# Allegro board SDHCalFEB.brd (continued)
## Routing (per net, layer and track width the routed paths; a pad name or vN(x,y) marks a point on that pad's centre or on a via; arc(x,y) is an arc through that point) (continued)
VCC3.3VA: length 1198.7
  TOP w0.254: 274.8,163.75 v2(274.8,164.19) ; v2(274.8,164.19) 274.37,164.19 ; v2(274.8,164.19) 274.8,164.62 ; v2(274.8,164.19) 275.23,164.19 ; 34.39,80.09 v2(34.82,80.09) ; v2(34.82,80.09) 34.82,80.52 ; v2(34.82,80.09) 34.82,79.65 ; v2(34.82,80.09) 35.26,80.09 ; v1(359.13,238.3) 359.56,238.3 ; v1(359.13,238.3) 359.13,237.87 ; v1(359.13,238.3) 358.7,238.3 ; v1(359.13,238.3) 359.13,238.74 ; 35.03,162.58 v2(35.03,163.02) ; v2(35.03,163.02) 35.03,163.45 ; v2(35.03,163.02) 35.46,163.02 ; v2(35.03,163.02) 34.59,163.02 ; C258.1 114.29,325.02 ; C258.1 113.1,323.7 ; C258.1 113.1,326.34 ; 210.01,350.8 v1(210.44,350.8) ; v1(210.44,350.8) 210.44,350.37 ; v1(210.44,350.8) 210.87,350.8 ; v1(210.44,350.8) 210.44,351.23 ; v1(189.71,32.97) 189.71,33.4 ; v1(189.71,32.97) 190.14,32.97 ; v1(189.71,32.97) 189.71,32.54 ; v1(189.71,32.97) 189.28,32.97 ; 364.49,100.33 v1(364.92,100.33) ; v1(364.92,100.33) 364.92,100.76 ; v1(364.92,100.33) 365.35,100.33 ; v1(364.92,100.33) 364.92,99.9 ; 236.42,348.92 v1(236.42,349.35) ; v1(236.42,349.35) 236.42,349.78 ; v1(236.42,349.35) 235.99,349.35 ; v1(236.42,349.35) 236.86,349.35 ; 188.09,29.92 v1(188.09,30.35) ; v1(188.09,30.35) 187.65,30.35 ; v1(188.09,30.35) 188.52,30.35 ; v1(188.09,30.35) 188.09,30.79 ; v1(361.06,209.98) 361.06,210.41 ; v1(361.06,209.98) 361.49,209.98 ; v1(361.06,209.98) 360.63,209.98 ; v1(361.06,209.98) 361.06,209.55 ; 114.76,163.42 v2(114.76,163.86) ; v2(114.76,163.86) 114.32,163.86 ; v2(114.76,163.86) 115.19,163.86 ; v2(114.76,163.86) 114.76,164.29 ; 106.02,34.62 v2(106.02,35.05) ; v2(106.02,35.05) 106.45,35.05 ; v2(106.02,35.05) 106.02,35.48 ; v2(106.02,35.05) 105.59,35.05 ; 270.94,167.06 v2(271.37,167.06) ; v2(271.37,167.06) 271.81,167.06 ; v2(271.37,167.06) 271.37,167.49 ; v2(271.37,167.06) 271.37,166.62 ; 112.69,163.91 C954.1 ; C954.1 113.89,165.23 ; C954.1 111.5,165.23 ; C954.1 112.69,166.55 ; 370.61,98.55 C1465.1 ; C1465.1 371.93,99.75 ; C1465.1 373.25,98.55 ; v2(109.63,33.58) 110.06,33.58 ; v2(109.63,33.58) 109.63,33.15 ; v2(109.63,33.58) 109.19,33.58 ; v2(109.63,33.58) 109.63,34.01 ; 364.46,101.57 v1(364.46,102.01) ; v1(364.46,102.01) 364.9,102.01 ; v1(364.46,102.01) 364.46,102.44 ; v1(364.46,102.01) 364.03,102.01 ; v2(281.91,118.24) 281.91,118.67 ; v2(281.91,118.24) 282.35,118.24 ; v2(281.91,118.24) 281.48,118.24 ; v2(281.91,118.24) 281.91,117.8 ; v1(351.05,107.49) 351.49,107.49 ; v1(351.05,107.49) 350.62,107.49 ; v1(351.05,107.49) 351.05,107.93 ; v1(351.05,107.49) 351.05,107.06 ; C868.1 192.55,166.6 ; C868.1 193.74,165.28 ; C868.1 191.35,165.28 ; C868.1 192.55,163.96 ; v2(41.68,329.51) 42.11,329.51 ; v2(41.68,329.51) 41.25,329.51 ; v2(41.68,329.51) 41.68,329.95 ; v2(41.68,329.51) 41.68,329.08 ; 208.61,347.19 v1(209.04,347.19) ; v1(209.04,347.19) 209.47,347.19 ; v1(209.04,347.19) 209.04,346.76 ; v1(209.04,347.19) 209.04,347.62 ; 266.17,29.03 v1(266.17,29.46) ; v1(266.17,29.46) 266.6,29.46 ; v1(266.17,29.46) 265.73,29.46 ; v1(266.17,29.46) 266.17,29.9 ; v2(119.15,98.81) 119.58,98.81 ; v2(119.15,98.81) 119.15,99.24 ; v2(119.15,98.81) 119.15,98.37 ; v2(119.15,98.81) 118.72,98.81 ; 274.5,323.65 v2(274.93,323.65) ; v2(274.93,323.65) 275.36,323.65 ; v2(274.93,323.65) 274.93,324.08 ; v2(274.93,323.65) 274.93,323.21 ; v2(119.46,256.84) 119.89,256.84 ; v2(119.46,256.84) 119.46,256.41 ; v2(119.46,256.84) 119.46,257.28 ; v2(119.46,256.84) 119.02,256.84 ; v1(219.94,352.78) 220.37,352.78 ; v1(219.94,352.78) 219.94,352.35 ; v1(219.94,352.78) 219.51,352.78 ; v1(219.94,352.78) 219.94,353.21 ; C84.1 258.75,266.82 ; C84.1 256.1,266.82 ; C84.1 257.42,268.01 ; C84.1 257.42,265.62 ; 199.68,117.32 v2(200.61,116.39) ; v2(200.61,116.39) 201.45,117.23 ; v2(200.61,116.39) 199.76,115.55 ; v2(200.61,116.39) 201.54,115.46 ; v1(108.28,29.69) 108.71,29.69 ; v1(108.28,29.69) 108.28,29.26 ; v1(108.28,29.69) 108.28,30.12 ; v1(108.28,29.69) 107.85,29.69 ; 36.45,164.91 C1041.1 ; C1041.1 37.77,166.1 ; C1041.1 39.09,164.91 ; C1041.1 37.77,163.71 ; v1(351.84,108.38) 352.27,108.38 ; v1(351.84,108.38) 351.84,108.81 ; v1(351.84,108.38) 351.41,108.38 ; v1(351.84,108.38) 351.84,107.95 ; 276.2,351.74 v1(276.63,351.74) ; v1(276.63,351.74) 276.63,352.17 ; v1(276.63,351.74) 276.63,351.31 ; v1(276.63,351.74) 277.06,351.74 ; 176.94,99.52 v2(176.94,99.95) ; v2(176.94,99.95) 177.37,99.95 ; v2(176.94,99.95) 176.94,100.38 ; v2(176.94,99.95) 176.5,99.95 ; 272.21,323.24 v2(272.21,323.67) ; v2(272.21,323.67) 272.21,324.1 ; v2(272.21,323.67) 272.64,323.67 ; v2(272.21,323.67) 271.78,323.67 ; 191.85,326.44 v2(191.85,326.87) ; v2(191.85,326.87) 191.41,326.87 ; v2(191.85,326.87) 192.28,326.87 ; v2(191.85,326.87) 191.85,327.3 ; v2(39.62,165.07) 40.06,165.07 ; v2(39.62,165.07) 39.62,165.51 ; v2(39.62,165.07) 39.19,165.07 ; v2(39.62,165.07) 39.62,164.64 ; v2(271.37,163.73) 271.81,163.73 ; v2(271.37,163.73) 271.37,163.3 ; v2(271.37,163.73) 271.37,164.16 ; v2(271.37,163.73) 270.94,163.73 ; 179.58,185.47 v2(179.58,185.9) ; v2(179.58,185.9) 180.01,185.9 ; v2(179.58,185.9) 179.58,186.33 ; v2(179.58,185.9) 179.15,185.9 ; 233.29,349.68 C1407.1 ; C1407.1 234.49,351 ; C1407.1 234.49,348.36 ; C1407.1 235.68,349.68 ; v2(66.98,253.26) 66.98,253.7 ; v2(66.98,253.26) 66.55,253.26 ; v2(66.98,253.26) 67.41,253.26 ; v2(66.98,253.26) 66.98,252.83 ; 94.82,185.5 v2(94.82,185.93) ; v2(94.82,185.93) 94.39,185.93 ; v2(94.82,185.93) 95.25,185.93 ; v2(94.82,185.93) 94.82,186.36 ; v2(179.53,99.77) 179.96,99.77 ; v2(179.53,99.77) 179.09,99.77 ; v2(179.53,99.77) 179.53,100.2 ; v2(179.53,99.77) 179.53,99.34 ; 64.34,252.58 v2(64.77,252.58) ; v2(64.77,252.58) 64.77,252.15 ; v2(64.77,252.58) 64.77,253.01 ; v2(64.77,252.58) 65.2,252.58 ; v2(279.88,118.06) 279.88,118.49 ; v2(279.88,118.06) 279.45,118.06 ; v2(279.88,118.06) 279.88,117.63 ; v2(279.88,118.06) 280.31,118.06 ; 118.92,258.6 v2(119.35,258.6) ; v2(119.35,258.6) 119.35,258.17 ; v2(119.35,258.6) 119.35,259.03 ; v2(119.35,258.6) 119.79,258.6 ; C172.1 194.31,325.02 ; C172.1 193.12,326.34 ; C172.1 193.12,323.7 ; C172.1 191.92,325.02 ; 272.14,349.61 v1(272.57,349.61) ; v1(272.57,349.61) 272.57,349.17 ; v1(272.57,349.61) 273,349.61 ; v1(272.57,349.61) 272.57,350.04 ; 35.1,266.22 v2(35.53,266.22) ; v2(35.53,266.22) 35.53,266.65 ; v2(35.53,266.22) 35.53,265.79 ; v2(35.53,266.22) 35.97,266.22 ; 363.04,99.92 v1(363.04,100.36) ; v1(363.04,100.36) 363.04,100.79 ; v1(363.04,100.36) 362.61,100.36 ; v1(363.04,100.36) 363.47,100.36 ; C1406.1 208.35,349 ; C1406.1 207.15,350.32 ; C1406.1 207.15,347.67 ; C1406.1 205.96,349 ; 99.64,186.74 v2(99.64,187.17) ; v2(99.64,187.17) 99.21,187.17 ; v2(99.64,187.17) 100.08,187.17 ; v2(99.64,187.17) 99.64,187.6 ; 199.26,259.92 v2(199.69,259.92) ; v2(199.69,259.92) 200.13,259.92 ; v2(199.69,259.92) 199.69,259.49 ; v2(199.69,259.92) 199.69,260.35 ; 32.54,79.02 v2(32.97,79.02) ; v2(32.97,79.02) 33.4,79.02 ; v2(32.97,79.02) 32.97,78.59 ; v2(32.97,79.02) 32.97,79.45 ; v2(35.89,165.25) 36.32,165.25 ; v2(35.89,165.25) 35.89,164.82 ; v2(35.89,165.25) 35.89,165.68 ; v2(35.89,165.25) 35.46,165.25 ; v2(99.67,268.45) 100.1,268.45 ; v2(99.67,268.45) 99.24,268.45 ; v2(99.67,268.45) 99.67,268.88 ; v2(99.67,268.45) 99.67,268.02 ; C519.1 197.5,259.03 ; C519.1 197.5,256.39 ; C519.1 198.7,257.71 ; 34.21,185.55 v2(34.21,185.98) ; v2(34.21,185.98) 34.21,186.41 ; v2(34.21,185.98) 34.65,185.98 ; v2(34.21,185.98) 33.78,185.98 ; 32.88,182.57 C693.1 ; C693.1 31.69,183.9 ; C693.1 34.08,183.9 ; C693.1 32.88,185.22 ; 267.44,34.34 v2(267.44,34.77) ; v2(267.44,34.77) 267.44,35.2 ; v2(267.44,34.77) 267.87,34.77 ; v2(267.44,34.77) 267,34.77 ; 350.11,109.42 v1(350.55,109.42) ; v1(350.55,109.42) 350.98,109.42 ; v1(350.55,109.42) 350.55,108.99 ; v1(350.55,109.42) 350.55,109.86 ; 38.91,162.99 v2(39.34,162.99) ; v2(39.34,162.99) 39.34,162.56 ; v2(39.34,162.99) 39.34,163.42 ; v2(39.34,162.99) 39.78,162.99 ; v2(62.84,252.78) 62.84,253.21 ; v2(62.84,252.78) 62.41,252.78 ; v2(62.84,252.78) 62.84,252.35 ; v2(62.84,252.78) 63.27,252.78 ; 359.41,210.31 v1(359.41,210.74) ; v1(359.41,210.74) 359.41,211.18 ; v1(359.41,210.74) 358.98,210.74 ; v1(359.41,210.74) 359.84,210.74 ; 41.22,331.09 v2(41.66,331.09) ; v2(41.66,331.09) 42.09,331.09 ; v2(41.66,331.09) 41.66,331.52 ; v2(41.66,331.09) 41.66,330.66 ; 209.3,349.86 v1(209.73,349.86) ; v1(209.73,349.86) 210.16,349.86 ; v1(209.73,349.86) 209.73,350.29 ; v1(209.73,349.86) 209.73,349.43 ; v2(95.02,188.32) 95.02,188.75 ; v2(95.02,188.32) 94.59,188.32 ; v2(95.02,188.32) 95.02,187.88 ; v2(95.02,188.32) 95.45,188.32 ; v2(32.99,82.8) 33.43,82.8 ; v2(32.99,82.8) 32.99,83.24 ; v2(32.99,82.8) 32.56,82.8 ; v2(32.99,82.8) 32.99,82.37 ; v2(94.72,187.25) 95.15,187.25 ; v2(94.72,187.25) 94.72,187.68 ; v2(94.72,187.25) 94.72,186.82 ; v2(94.72,187.25) 94.28,187.25 ; v2(41.71,327.94) 41.71,328.37 ; v2(41.71,327.94) 41.27,327.94 ; v2(41.71,327.94) 41.71,327.51 ; v2(41.71,327.94) 42.14,327.94 ; v2(34.26,78.97) 34.26,79.4 ; v2(34.26,78.97) 33.83,78.97 ; v2(34.26,78.97) 34.26,78.54 ; v2(34.26,78.97) 34.7,78.97 ; 366.39,101.5 v1(366.83,101.5) ; v1(366.83,101.5) 366.83,101.07 ; v1(366.83,101.5) 367.26,101.5 ; v1(366.83,101.5) 366.83,101.93 ; 254.66,186.33 v2(255.09,186.33) ; v2(255.09,186.33) 255.52,186.33 ; v2(255.09,186.33) 255.09,186.77 ; v2(255.09,186.33) 255.09,185.9 ; v1(268.25,29.39) 268.25,29.82 ; v1(268.25,29.39) 267.82,29.39 ; v1(268.25,29.39) 268.68,29.39 ; v1(268.25,29.39) 268.25,28.96 ; 358.8,213.03 v1(359.23,213.03) ; v1(359.23,213.03) 359.66,213.03 ; v1(359.23,213.03) 359.23,212.6 ; v1(359.23,213.03) 359.23,213.46 ; v2(187.17,35.74) 187.6,35.74 ; v2(187.17,35.74) 187.17,35.31 ; v2(187.17,35.74) 186.74,35.74 ; v2(187.17,35.74) 187.17,36.17 ; v2(203.23,116.99) 203.66,116.99 ; v2(203.23,116.99) 203.23,116.56 ; v2(203.23,116.99) 202.79,116.99 ; v2(203.23,116.99) 203.23,117.42 ; 358.67,239.7 v1(359.11,239.7) ; v1(359.11,239.7) 359.54,239.7 ; v1(359.11,239.7) 359.11,239.27 ; v1(359.11,239.7) 359.11,240.13 ; 257.51,185.68 C433.1 ; C433.1 257.51,188.07 ; C433.1 258.83,186.88 ; C433.1 256.19,186.88 ; 107.31,34.57 v2(107.31,35) ; v2(107.31,35) 106.88,35 ; v2(107.31,35) 107.75,35 ; v2(107.31,35) 107.31,35.43 ; v2(119.53,255.19) 119.96,255.19 ; v2(119.53,255.19) 119.53,255.63 ; v2(119.53,255.19) 119.53,254.76 ; v2(119.53,255.19) 119.1,255.19 ; 273.61,351.23 v1(273.61,351.66) ; v1(273.61,351.66) 274.04,351.66 ; v1(273.61,351.66) 273.61,352.1 ; v1(273.61,351.66) 273.18,351.66 ; v2(116.79,95.22) 117.22,95.22 ; v2(116.79,95.22) 116.79,95.66 ; v2(116.79,95.22) 116.36,95.22 ; v2(116.79,95.22) 116.79,94.79 ; v2(255.52,268.3) 255.52,268.73 ; v2(255.52,268.3) 255.09,268.3 ; v2(255.52,268.3) 255.52,267.87 ; v2(255.52,268.3) 255.96,268.3 ; v1(269.7,29.54) 270.13,29.54 ; v1(269.7,29.54) 269.7,29.97 ; v1(269.7,29.54) 269.7,29.11 ; v1(269.7,29.54) 269.26,29.54 ; C1303.1 116.58,98.35 ; C1303.1 115.38,97.03 ; C1303.1 117.77,97.03 ; C1303.1 116.58,95.71 ; C1404.1 223.22,350.55 ; C1404.1 220.83,350.55 ; C1404.1 222.03,349.22 ; C1404.1 222.03,351.87 ; v1(223.04,352.76) 223.04,353.19 ; v1(223.04,352.76) 223.47,352.76 ; v1(223.04,352.76) 222.61,352.76 ; v1(223.04,352.76) 223.04,352.32 ; 219.51,351.36 v1(219.94,351.36) ; v1(219.94,351.36) 219.94,350.93 ; v1(219.94,351.36) 220.37,351.36 ; v1(219.94,351.36) 219.94,351.79 ; 256.77,188.57 v2(257.2,188.57) ; v2(257.2,188.57) 257.2,189 ; v2(257.2,188.57) 257.63,188.57 ; v2(257.2,188.57) 257.2,188.14 ; v1(190.09,349.68) 190.53,349.68 ; v1(190.09,349.68) 190.09,349.25 ; v1(190.09,349.68) 189.66,349.68 ; v1(190.09,349.68) 190.09,350.11 ; 186.4,32.08 C1216.1 ; C1216.1 185.21,33.4 ; C1216.1 186.4,34.72 ; C1216.1 187.6,33.4 ; C1215.1 176.98,99.47 ; C1215.1 176.98,96.82 ; C1215.1 178.17,98.15 ; C1215.1 175.78,98.15 ; 119.13,95.22 v2(119.13,95.66) ; v2(119.13,95.66) 119.13,96.09 ; v2(119.13,95.66) 119.56,95.66 ; v2(119.13,95.66) 118.69,95.66 ; 348.28,346.41 v1(348.72,346.41) ; v1(348.72,346.41) 348.72,345.97 ; v1(348.72,346.41) 348.72,346.84 ; v1(348.72,346.41) 349.15,346.41 ; v1(185.5,30.78) 185.93,30.78 ; v1(185.5,30.78) 185.5,31.22 ; v1(185.5,30.78) 185.5,30.35 ; v1(185.5,30.78) 185.06,30.78 ; v1(359.31,211.89) 359.31,212.32 ; v1(359.31,211.89) 359.74,211.89 ; v1(359.31,211.89) 358.88,211.89 ; v1(359.31,211.89) 359.31,211.45 ; 279.92,117.17 v2(280.85,116.23) ; v2(280.85,116.23) 281.79,115.3 ; v2(280.85,116.23) 280.01,115.39 ; v2(280.85,116.23) 281.7,117.08 ; C1389.1 33.75,80.87 ; C1389.1 32.55,82.19 ; C1389.1 31.36,80.87 ; C1389.1 32.55,79.55 ; 36.27,268.35 v2(36.27,268.78) ; v2(36.27,268.78) 36.27,269.22 ; v2(36.27,268.78) 35.84,268.78 ; v2(36.27,268.78) 36.7,268.78 ; v1(29.41,44.78) 29.85,44.78 ; v1(29.41,44.78) 28.98,44.78 ; v1(29.41,44.78) 29.41,45.21 ; v1(29.41,44.78) 29.41,44.35 ; v2(274.68,165.79) 274.68,166.22 ; v2(274.68,165.79) 274.24,165.79 ; v2(274.68,165.79) 274.68,165.35 ; v2(274.68,165.79) 275.11,165.79 ; 348.11,349.15 v1(348.54,349.15) ; v1(348.54,349.15) 348.97,349.15 ; v1(348.54,349.15) 348.54,349.58 ; v1(348.54,349.15) 348.54,348.72 ; 272.82,163.7 v2(273.25,163.7) ; v2(273.25,163.7) 273.69,163.7 ; v2(273.25,163.7) 273.25,164.14 ; v2(273.25,163.7) 273.25,163.27 ; v1(275.11,351.74) 275.11,352.17 ; v1(275.11,351.74) 274.68,351.74 ; v1(275.11,351.74) 275.54,351.74 ; v1(275.11,351.74) 275.11,351.31 ; C1485.1 360.58,103.29 ; C1485.1 359.99,102.67 ; C1485.1 359.99,103.91 ; 271.42,165.74 C781.1 ; C781.1 273.8,165.74 ; C781.1 272.61,167.06 ; C781.1 272.61,164.41 ; 95.05,265.79 v2(95.05,266.22) ; v2(95.05,266.22) 94.61,266.22 ; v2(95.05,266.22) 95.48,266.22 ; v2(95.05,266.22) 95.05,266.65 ; v1(109.32,31.78) 109.75,31.78 ; v1(109.32,31.78) 109.32,31.34 ; v1(109.32,31.78) 108.89,31.78 ; v1(109.32,31.78) 109.32,32.21 ; v2(122.12,118.11) 122.56,118.11 ; v2(122.12,118.11) 121.69,118.11 ; v2(122.12,118.11) 122.12,117.68 ; v2(122.12,118.11) 122.12,118.54 ; v2(37.16,331.01) 37.16,331.45 ; v2(37.16,331.01) 36.73,331.01 ; v2(37.16,331.01) 37.16,330.58 ; v2(37.16,331.01) 37.59,331.01 ; v2(34.42,95.96) 34.85,95.96 ; v2(34.42,95.96) 34.42,95.53 ; v2(34.42,95.96) 34.42,96.39 ; v2(34.42,95.96) 33.98,95.96 ; 62.89,255.14 v2(62.89,255.57) ; v2(62.89,255.57) 63.32,255.57 ; v2(62.89,255.57) 62.46,255.57 ; v2(62.89,255.57) 62.89,256.01 ; v2(34.14,43.31) 34.14,43.74 ; v2(34.14,43.31) 33.71,43.31 ; v2(34.14,43.31) 34.14,42.87 ; v2(34.14,43.31) 34.57,43.31 ; v2(32.18,99.97) 32.18,100.41 ; v2(32.18,99.97) 32.18,99.54 ; v2(32.18,99.97) 32.61,99.97 ; v2(32.18,99.97) 31.75,99.97 ; v2(197.49,259.74) 197.92,259.74 ; v2(197.49,259.74) 197.05,259.74 ; v2(197.49,259.74) 197.49,259.31 ; v2(197.49,259.74) 197.49,260.17 ; 185.42,351.79 v1(185.85,351.79) ; v1(185.85,351.79) 186.28,351.79 ; v1(185.85,351.79) 185.85,351.36 ; v1(185.85,351.79) 185.85,352.22 ; 272.54,326.67 v2(272.54,327.1) ; v2(272.54,327.1) 272.11,327.1 ; v2(272.54,327.1) 272.54,327.53 ; v2(272.54,327.1) 272.97,327.1 ; v1(190.22,351.59) 190.65,351.59 ; v1(190.22,351.59) 189.79,351.59 ; v1(190.22,351.59) 190.22,351.15 ; v1(190.22,351.59) 190.22,352.02 ; 234.04,351.46 v1(234.47,351.46) ; v1(234.47,351.46) 234.9,351.46 ; v1(234.47,351.46) 234.47,351.03 ; v1(234.47,351.46) 234.47,351.89 ; 37.21,162.23 v2(37.21,162.66) ; v2(37.21,162.66) 37.64,162.66 ; v2(37.21,162.66) 36.78,162.66 ; v2(37.21,162.66) 37.21,163.09 ; 271.25,350.16 v1(271.68,350.16) ; v1(271.68,350.16) 272.11,350.16 ; v1(271.68,350.16) 271.68,350.6 ; v1(271.68,350.16) 271.68,349.73 ; 36.82,329.16 C346.1 ; C346.1 38.02,327.84 ; C346.1 38.02,330.48 ; C346.1 39.21,329.16 ; 273.18,350.39 v1(273.61,350.39) ; v1(273.61,350.39) 273.61,349.96 ; v1(273.61,350.39) 273.61,350.83 ; v1(273.61,350.39) 274.04,350.39 ; v2(36.25,267.36) 36.68,267.36 ; v2(36.25,267.36) 36.25,267.79 ; v2(36.25,267.36) 36.25,266.93 ; v2(36.25,267.36) 35.81,267.36 ; 273.45,323.97 C85.1 ; C85.1 273.45,326.61 ; C85.1 272.26,325.29 ; v2(35.33,98.45) 35.33,98.88 ; v2(35.33,98.45) 35.76,98.45 ; v2(35.33,98.45) 35.33,98.02 ; v2(35.33,98.45) 34.9,98.45 ; 271.28,349.44 U1044.8 271.77,348.48 ; 219.51,349.99 v1(219.94,349.99) ; v1(219.94,349.99) 219.94,350.42 ; v1(219.94,349.99) 220.37,349.99 ; v1(219.94,349.99) 219.94,349.55 ; 189.53,34.06 v2(189.53,34.49) ; v2(189.53,34.49) 189.53,34.93 ; v2(189.53,34.49) 189.1,34.49 ; v2(189.53,34.49) 189.97,34.49 ; C1483.1 362.99,212.27 ; C1483.1 361.8,210.95 ; C1483.1 361.8,213.59 ; C1483.1 360.6,212.27 ; v2(255.37,265.73) 255.37,266.17 ; v2(255.37,265.73) 254.94,265.73 ; v2(255.37,265.73) 255.8,265.73 ; v2(255.37,265.73) 255.37,265.3 ; v2(255.04,188.52) 255.04,188.95 ; v2(255.04,188.52) 255.04,188.09 ; v2(255.04,188.52) 255.47,188.52 ; v2(255.04,188.52) 254.61,188.52 ; v1(359.08,240.97) 359.51,240.97 ; v1(359.08,240.97) 358.65,240.97 ; v1(359.08,240.97) 359.08,240.54 ; v1(359.08,240.97) 359.08,241.4 ; v1(366.14,103.33) 366.14,103.76 ; v1(366.14,103.33) 366.57,103.33 ; v1(366.14,103.33) 365.71,103.33 ; v1(366.14,103.33) 366.14,102.89 ; 259.31,266.8 v2(259.74,266.8) ; v2(259.74,266.8) 259.74,267.23 ; v2(259.74,266.8) 260.17,266.8 ; v2(259.74,266.8) 259.74,266.37 ; 35.33,99.42 v2(35.33,99.85) ; v2(35.33,99.85) 35.33,100.28 ; v2(35.33,99.85) 34.9,99.85 ; v2(35.33,99.85) 35.76,99.85 ; v2(35.33,97.08) 35.76,97.08 ; v2(35.33,97.08) 35.33,97.51 ; v2(35.33,97.08) 34.9,97.08 ; v2(35.33,97.08) 35.33,96.65 ; 197.38,255.88 v2(197.82,255.88) ; v2(197.82,255.88) 198.25,255.88 ; v2(197.82,255.88) 197.82,256.31 ; v2(197.82,255.88) 197.82,255.45 ; v2(195.17,163.86) 195.61,163.86 ; v2(195.17,163.86) 195.17,163.42 ; v2(195.17,163.86) 194.74,163.86 ; v2(195.17,163.86) 195.17,164.29 ; 188.44,35.64 v2(188.87,35.64) ; v2(188.87,35.64) 188.87,35.2 ; v2(188.87,35.64) 188.87,36.07 ; v2(188.87,35.64) 189.31,35.64 ; 368.02,102.62 C1464.1 ; C1464.1 368.64,103.2 ; C1464.1 367.4,103.2 ; 266.12,34.37 v2(266.12,34.8) ; v2(266.12,34.8) 265.68,34.8 ; v2(266.12,34.8) 266.12,35.23 ; v2(266.12,34.8) 266.55,34.8 ; v2(257.15,96.14) 257.58,96.14 ; v2(257.15,96.14) 257.15,96.57 ; v2(257.15,96.14) 256.72,96.14 ; v2(257.15,96.14) 257.15,95.71 ; v1(346.35,108.15) 346.79,108.15 ; v1(346.35,108.15) 346.35,108.59 ; v1(346.35,108.15) 345.92,108.15 ; v1(346.35,108.15) 346.35,107.72 ; v1(369.95,99.19) 369.95,99.62 ; v1(369.95,99.19) 369.95,98.75 ; v1(369.95,99.19) 370.38,99.19 ; v1(369.95,99.19) 369.52,99.19 ; v1(189.97,29.95) 189.97,30.38 ; v1(189.97,29.95) 189.53,29.95 ; v1(189.97,29.95) 189.97,29.51 ; v1(189.97,29.95) 190.4,29.95 ; 174.17,185.85 v2(174.6,185.85) ; v2(174.6,185.85) 174.6,186.28 ; v2(174.6,185.85) 175.03,185.85 ; v2(174.6,185.85) 174.6,185.42 ; 40.59,327 v2(40.59,327.43) ; v2(40.59,327.43) 40.16,327.43 ; v2(40.59,327.43) 41.02,327.43 ; v2(40.59,327.43) 40.59,327.86 ; 115.93,258.72 v2(116.36,258.72) ; v2(116.36,258.72) 116.79,258.72 ; v2(116.36,258.72) 116.36,259.16 ; v2(116.36,258.72) 116.36,258.29 ; 32.89,270.38 v2(33.32,270.38) ; v2(33.32,270.38) 33.76,270.38 ; v2(33.32,270.38) 33.32,270.82 ; v2(33.32,270.38) 33.32,269.95 ; v2(119.15,97.33) 119.58,97.33 ; v2(119.15,97.33) 118.72,97.33 ; v2(119.15,97.33) 119.15,97.77 ; v2(119.15,97.33) 119.15,96.9 ; v1(349.96,346.15) 350.39,346.15 ; v1(349.96,346.15) 349.53,346.15 ; v1(349.96,346.15) 349.96,345.72 ; v1(349.96,346.15) 349.96,346.58 ; C432.1 268.75,257.18 ; C432.1 267.55,255.85 ; C432.1 267.55,258.5 ; C432.1 266.36,257.18 ; C607.1 97.1,187.99 ; C607.1 95.78,186.8 ; C607.1 98.42,186.8 ; C607.1 97.1,185.6 ; v2(37.54,327.28) 37.97,327.28 ; v2(37.54,327.28) 37.11,327.28 ; v2(37.54,327.28) 37.54,327.71 ; v2(37.54,327.28) 37.54,326.85 ; v1(185.85,347.9) 185.85,348.34 ; v1(185.85,347.9) 185.42,347.9 ; v1(185.85,347.9) 186.28,347.9 ; v1(185.85,347.9) 185.85,347.47 ; 32.05,95.99 v2(32.49,95.99) ; v2(32.49,95.99) 32.49,96.42 ; v2(32.49,95.99) 32.92,95.99 ; v2(32.49,95.99) 32.49,95.55 ; 179.25,267.28 v2(179.68,267.28) ; v2(179.68,267.28) 179.68,266.85 ; v2(179.68,267.28) 180.11,267.28 ; v2(179.68,267.28) 179.68,267.72 ; 360.48,241.99 v1(360.48,242.42) ; v1(360.48,242.42) 360.48,242.85 ; v1(360.48,242.42) 360.04,242.42 ; v1(360.48,242.42) 360.91,242.42 ; v1(106.93,30.18) 106.93,30.61 ; v1(106.93,30.18) 106.5,30.18 ; v1(106.93,30.18) 107.37,30.18 ; v1(106.93,30.18) 106.93,29.74 ; v2(115.09,323.65) 115.52,323.65 ; v2(115.09,323.65) 115.09,323.21 ; v2(115.09,323.65) 114.66,323.65 ; v2(115.09,323.65) 115.09,324.08 ; v1(349.61,108.86) 349.61,109.3 ; v1(349.61,108.86) 350.04,108.86 ; v1(349.61,108.86) 349.17,108.86 ; v1(349.61,108.86) 349.61,108.43 ; v2(116.59,99.01) 117.02,99.01 ; v2(116.59,99.01) 116.15,99.01 ; v2(116.59,99.01) 116.59,99.44 ; v2(116.59,99.01) 116.59,98.58 ; 31.85,181.94 v2(32.28,181.94) ; v2(32.28,181.94) 32.28,182.37 ; v2(32.28,181.94) 32.72,181.94 ; v2(32.28,181.94) 32.28,181.51 ; 233.43,351.03 v1(233.43,351.46) ; v1(233.43,351.46) 233.43,351.89 ; v1(233.43,351.46) 232.99,351.46 ; v1(233.43,351.46) 233.86,351.46 ; C1128.1 256.73,99.34 ; C1128.1 257.93,98.02 ; C1128.1 255.54,98.02 ; C1128.1 256.73,96.7 ; 362.13,209.98 v1(362.56,209.98) ; v1(362.56,209.98) 362.99,209.98 ; v1(362.56,209.98) 362.56,210.41 ; v1(362.56,209.98) 362.56,209.55 ; 205.97,350.52 v1(205.97,350.95) ; v1(205.97,350.95) 206.4,350.95 ; v1(205.97,350.95) 205.97,351.38 ; v1(205.97,350.95) 205.54,350.95 ; v1(210.41,347.52) 210.41,347.96 ; v1(210.41,347.52) 210.41,347.09 ; v1(210.41,347.52) 209.98,347.52 ; v1(210.41,347.52) 210.85,347.52 ; v2(259.66,265.61) 260.1,265.61 ; v2(259.66,265.61) 259.23,265.61 ; v2(259.66,265.61) 259.66,265.18 ; v2(259.66,265.61) 259.66,266.04 ; v2(94.92,268.35) 95.35,268.35 ; v2(94.92,268.35) 94.92,268.78 ; v2(94.92,268.35) 94.49,268.35 ; v2(94.92,268.35) 94.92,267.92 ; 113.13,166.62 v2(113.13,167.06) ; v2(113.13,167.06) 113.13,167.49 ; v2(113.13,167.06) 112.7,167.06 ; v2(113.13,167.06) 113.56,167.06 ; 174.14,186.97 v2(174.57,186.97) ; v2(174.57,186.97) 174.57,186.54 ; v2(174.57,186.97) 174.57,187.4 ; v2(174.57,186.97) 175.01,186.97 ; v2(256.46,100.2) 256.46,100.64 ; v2(256.46,100.2) 256.03,100.2 ; v2(256.46,100.2) 256.9,100.2 ; v2(256.46,100.2) 256.46,99.77 ; v2(191.39,163.83) 191.82,163.83 ; v2(191.39,163.83) 191.39,163.4 ; v2(191.39,163.83) 190.96,163.83 ; v2(191.39,163.83) 191.39,164.26 ; 199.77,255.96 v2(199.77,256.39) ; v2(199.77,256.39) 199.34,256.39 ; v2(199.77,256.39) 199.77,256.82 ; v2(199.77,256.39) 200.2,256.39 ; 358.75,214.12 v1(359.18,214.12) ; v1(359.18,214.12) 359.18,213.69 ; v1(359.18,214.12) 359.61,214.12 ; v1(359.18,214.12) 359.18,214.55 ; v2(278.87,117.14) 279.3,117.14 ; v2(278.87,117.14) 278.87,117.58 ; v2(278.87,117.14) 278.43,117.14 ; v2(278.87,117.14) 278.87,116.71 ; 176.96,188.26 v2(176.96,188.7) ; v2(176.96,188.7) 177.39,188.7 ; v2(176.96,188.7) 176.53,188.7 ; v2(176.96,188.7) 176.96,189.13 ; 33.3,99.92 v2(33.73,99.92) ; v2(33.73,99.92) 33.73,100.36 ; v2(33.73,99.92) 34.16,99.92 ; v2(33.73,99.92) 33.73,99.49 ; 63.46,254.46 C694.1 ; C694.1 64.78,253.26 ; C694.1 64.78,255.65 ; C694.1 66.1,254.46 ; 349,350.42 v1(349,350.85) ; v1(349,350.85) 349,351.28 ; v1(349,350.85) 348.56,350.85 ; v1(349,350.85) 349.43,350.85 ; C1403.1 186.81,351.21 ; C1403.1 186.81,348.56 ; C1403.1 185.62,349.88 ; C1403.1 188,349.88 ; 99.62,185.39 v2(99.62,185.83) ; v2(99.62,185.83) 99.62,186.26 ; v2(99.62,185.83) 99.19,185.83 ; v2(99.62,185.83) 100.05,185.83 ; 33.68,41.88 v2(34.11,41.88) ; v2(34.11,41.88) 34.54,41.88 ; v2(34.11,41.88) 34.11,41.45 ; v2(34.11,41.88) 34.11,42.32 ; v1(208.03,350.98) 208.03,351.41 ; v1(208.03,350.98) 208.46,350.98 ; v1(208.03,350.98) 207.59,350.98 ; v1(208.03,350.98) 208.03,350.54 ; 368.3,101.75 v1(368.73,101.75) ; v1(368.73,101.75) 369.16,101.75 ; v1(368.73,101.75) 368.73,101.32 ; v1(368.73,101.75) 368.73,102.18 ; v1(234.7,347.47) 235.13,347.47 ; v1(234.7,347.47) 234.26,347.47 ; v1(234.7,347.47) 234.7,347.04 ; v1(234.7,347.47) 234.7,347.9 ; 236.07,350.42 v1(236.5,350.42) ; v1(236.5,350.42) 236.93,350.42 ; v1(236.5,350.42) 236.5,350.85 ; v1(236.5,350.42) 236.5,349.99 ; 34.35,266.85 C345.1 ; C345.1 33.16,268.17 ; C345.1 35.55,268.17 ; C345.1 34.35,269.49 ; v1(362.15,214.48) 362.15,214.91 ; v1(362.15,214.48) 362.15,214.05 ; v1(362.15,214.48) 362.59,214.48 ; v1(362.15,214.48) 361.72,214.48 ; C1390.1 32,43.86 ; C1390.1 32,41.47 ; C1390.1 30.68,42.66 ; C1390.1 33.33,42.66 ; v2(269.8,255.75) 269.8,256.18 ; v2(269.8,255.75) 269.37,255.75 ; v2(269.8,255.75) 269.8,255.32 ; v2(269.8,255.75) 270.23,255.75 ; 348.77,110.11 v1(349.2,110.11) ; v1(349.2,110.11) 349.2,110.54 ; v1(349.2,110.11) 349.2,109.68 ; v1(349.2,110.11) 349.63,110.11 ; 34.34,81.53 v2(34.77,81.53) ; v2(34.77,81.53) 34.77,81.1 ; v2(34.77,81.53) 34.77,81.97 ; v2(34.77,81.53) 35.2,81.53 ; v2(120.86,116.27) 121.71,117.11 ; v2(120.86,116.27) 119.93,117.2 ; v2(120.86,116.27) 120.02,115.42 ; v2(120.86,116.27) 121.8,115.33 ; v1(271.17,351.21) 271.6,351.21 ; v1(271.17,351.21) 271.17,351.64 ; v1(271.17,351.21) 271.17,350.77 ; v1(271.17,351.21) 270.74,351.21 ; v2(199.82,258.52) 199.82,258.95 ; v2(199.82,258.52) 199.39,258.52 ; v2(199.82,258.52) 200.25,258.52 ; v2(199.82,258.52) 199.82,258.09 ; 359.92,209.47 v1(359.92,209.91) ; v1(359.92,209.91) 359.49,209.91 ; v1(359.92,209.91) 359.92,210.34 ; v1(359.92,209.91) 360.35,209.91 ; v2(33.63,266.19) 34.06,266.19 ; v2(33.63,266.19) 33.2,266.19 ; v2(33.63,266.19) 33.63,266.62 ; v2(33.63,266.19) 33.63,265.76 ; v2(195.45,323.72) 195.45,324.16 ; v2(195.45,323.72) 195.89,323.72 ; v2(195.45,323.72) 195.02,323.72 ; v2(195.45,323.72) 195.45,323.29 ; 176.91,185.7 C520.1 ; C520.1 176.91,188.09 ; C520.1 175.59,186.89 ; C520.1 178.23,186.89 ; 39.93,328.75 v2(40.36,328.75) ; v2(40.36,328.75) 40.36,329.18 ; v2(40.36,328.75) 40.79,328.75 ; v2(40.36,328.75) 40.36,328.32 ; C1042.1 32.78,99.47 ; C1042.1 33.98,98.15 ; C1042.1 32.78,96.82 ; C1042.1 31.59,98.15 ; 177.07,265.87 C171.1 ; C171.1 175.75,267.06 ; C171.1 177.07,268.26 ; C171.1 178.4,267.06 ; 273.96,326.69 v2(273.96,327.13) 273.53,327.13 ; v2(179.71,188.42) 179.71,188.85 ; v2(179.71,188.42) 180.14,188.42 ; v2(179.71,188.42) 179.71,187.98 ; v2(179.71,188.42) 179.27,188.42 ; v2(34.39,181.84) 34.82,181.84 ; v2(34.39,181.84) 34.39,182.27 ; v2(34.39,181.84) 34.39,181.41 ; v2(34.39,181.84) 33.96,181.84 ; v2(282.91,117.32) 282.91,117.75 ; v2(282.91,117.32) 283.34,117.32 ; v2(282.91,117.32) 282.47,117.32 ; v2(282.91,117.32) 282.91,116.89 ; 114.78,164.9 v2(114.78,165.33) ; v2(114.78,165.33) 114.78,165.76 ; v2(114.78,165.33) 115.21,165.33 ; v2(114.78,165.33) 114.35,165.33 ; 175.69,188.26 v2(175.69,188.7) ; v2(175.69,188.7) 175.69,189.13 ; v2(175.69,188.7) 175.26,188.7 ; v2(175.69,188.7) 176.12,188.7 ; 360.3,240.13 C1484.1 ; C1484.1 361.49,238.81 ; C1484.1 361.49,241.45 ; 178.44,188.21 v2(178.44,188.65) ; v2(178.44,188.65) 178.44,189.08 ; v2(178.44,188.65) 178.87,188.65 ; v2(178.44,188.65) 178,188.65 ; v1(273.63,349.28) 273.63,349.71 ; v1(273.63,349.28) 273.63,348.84 ; v1(273.63,349.28) 273.2,349.28 ; v1(273.63,349.28) 274.07,349.28 ; v2(39.22,331.09) 39.22,331.52 ; v2(39.22,331.09) 39.22,330.66 ; v2(39.22,331.09) 38.79,331.09 ; v2(39.22,331.09) 39.65,331.09 ; v2(31.75,78.99) 32.18,78.99 ; v2(31.75,78.99) 31.32,78.99 ; v2(31.75,78.99) 31.75,78.56 ; v2(31.75,78.99) 31.75,79.43 ; 233.53,347.07 v1(233.53,347.5) ; v1(233.53,347.5) 233.96,347.5 ; v1(233.53,347.5) 233.53,347.93 ; v1(233.53,347.5) 233.1,347.5 ; 176.81,96.32 v2(177.24,96.32) ; v2(177.24,96.32) 177.24,96.75 ; v2(177.24,96.32) 177.67,96.32 ; v2(177.24,96.32) 177.24,95.88 ; v2(111.48,163.75) 111.91,163.75 ; v2(111.48,163.75) 111.48,163.32 ; v2(111.48,163.75) 111.05,163.75 ; v2(111.48,163.75) 111.48,164.19 ; U1079.4 v1(349.75,240.18) ; v1(109.63,30.07) 109.63,30.51 ; v1(109.63,30.07) 109.19,30.07 ; v1(109.63,30.07) 109.63,29.64 ; v1(109.63,30.07) 110.06,30.07 ; 179.25,265.99 v2(179.68,265.99) ; v2(179.68,265.99) 179.68,265.56 ; v2(179.68,265.99) 180.11,265.99 ; v2(179.68,265.99) 179.68,266.42 ; v2(194.64,165.61) 194.64,166.04 ; v2(194.64,165.61) 194.64,165.18 ; v2(194.64,165.61) 194.21,165.61 ; v2(194.64,165.61) 195.07,165.61 ; v1(272.34,351.13) 272.34,351.56 ; v1(272.34,351.13) 272.34,350.7 ; v1(272.34,351.13) 271.91,351.13 ; v1(272.34,351.13) 272.77,351.13 ; 174.17,188.21 v2(174.6,188.21) ; v2(174.6,188.21) 175.03,188.21 ; v2(174.6,188.21) 174.6,188.65 ; v2(174.6,188.21) 174.6,187.78 ; 175.11,265.61 v2(175.11,266.04) ; v2(175.11,266.04) 175.11,266.47 ; v2(175.11,266.04) 174.68,266.04 ; v2(175.11,266.04) 175.54,266.04 ; v2(259.87,188.39) 259.87,188.82 ; v2(259.87,188.39) 259.44,188.39 ; v2(259.87,188.39) 259.87,187.96 ; v2(259.87,188.39) 260.3,188.39 ; 113.05,326.85 v2(113.49,326.85) ; v2(113.49,326.85) 113.92,326.85 ; v2(113.49,326.85) 113.49,326.41 ; v2(113.49,326.85) 113.49,327.28 ; U585.76 v2(309.17,121.14) ; v2(34.19,44.65) 34.19,45.09 ; v2(34.19,44.65) 34.62,44.65 ; v2(34.19,44.65) 34.19,44.22 ; v2(34.19,44.65) 33.76,44.65 ; v1(350.49,350.9) 350.93,350.9 ; v1(350.49,350.9) 350.49,350.47 ; v1(350.49,350.9) 350.06,350.9 ; v1(350.49,350.9) 350.49,351.33 ; 179.09,96.57 v2(179.53,96.57) ; v2(179.53,96.57) 179.53,97 ; v2(179.53,96.57) 179.53,96.14 ; v2(179.53,96.57) 179.96,96.57 ; 269.49,32.92 v2(269.93,32.92) ; v2(269.93,32.92) 269.93,33.35 ; v2(269.93,32.92) 270.36,32.92 ; v2(269.93,32.92) 269.93,32.49 ; 35.43,182.4 v2(35.43,182.83) ; v2(35.43,182.83) 35.43,183.26 ; v2(35.43,182.83) 35.87,182.83 ; v2(35.43,182.83) 35,182.83 ; 179.55,186.79 v2(179.55,187.22) ; v2(179.55,187.22) 179.55,187.66 ; v2(179.55,187.22) 179.12,187.22 ; v2(179.55,187.22) 179.98,187.22 ; v2(34.62,82.78) 34.62,83.21 ; v2(34.62,82.78) 35.05,82.78 ; v2(34.62,82.78) 34.19,82.78 ; v2(34.62,82.78) 34.62,82.35 ; v2(115.29,325.07) 115.29,325.5 ; v2(115.29,325.07) 115.72,325.07 ; v2(115.29,325.07) 114.86,325.07 ; v2(115.29,325.07) 115.29,324.64 ; 34.7,164.08 v2(34.7,164.52) ; v2(34.7,164.52) 34.26,164.52 ; v2(34.7,164.52) 35.13,164.52 ; v2(34.7,164.52) 34.7,164.95 ; 99.24,266.09 v2(99.67,266.09) ; v2(99.67,266.09) 100.1,266.09 ; v2(99.67,266.09) 99.67,265.66 ; v2(99.67,266.09) 99.67,266.52 ; 194.89,325.04 v2(195.33,325.04) ; v2(195.33,325.04) 195.33,325.48 ; v2(195.33,325.04) 195.76,325.04 ; v2(195.33,325.04) 195.33,324.61 ; v2(34.49,165.81) 34.93,165.81 ; v2(34.49,165.81) 34.06,165.81 ; v2(34.49,165.81) 34.49,165.38 ; v2(34.49,165.81) 34.49,166.24 ; v2(119.76,118.11) 119.76,118.54 ; v2(119.76,118.11) 119.76,117.68 ; v2(119.76,118.11) 120.19,118.11 ; v2(119.76,118.11) 119.33,118.11 ; 259.51,186.61 v2(259.94,186.61) ; v2(259.94,186.61) 260.38,186.61 ; v2(259.94,186.61) 259.94,187.05 ; v2(259.94,186.61) 259.94,186.18 ; 116.23,254.86 v2(116.23,255.3) ; v2(116.23,255.3) 115.8,255.3 ; v2(116.23,255.3) 116.66,255.3 ; v2(116.23,255.3) 116.23,255.73 ; v1(30.94,44.83) 31.37,44.83 ; v1(30.94,44.83) 30.94,44.4 ; v1(30.94,44.83) 30.94,45.26 ; v1(30.94,44.83) 30.5,44.83 ; v1(105.87,29.44) 105.87,29.87 ; v1(105.87,29.44) 105.87,29.01 ; v1(105.87,29.44) 106.3,29.44 ; v1(105.87,29.44) 105.43,29.44 ; 32.33,185.55 v2(32.33,185.98) ; v2(32.33,185.98) 32.33,186.41 ; v2(32.33,185.98) 31.9,185.98 ; v2(32.33,185.98) 32.77,185.98 ; v1(186.51,30.05) 186.94,30.05 ; v1(186.51,30.05) 186.51,29.62 ; v1(186.51,30.05) 186.51,30.48 ; v1(186.51,30.05) 186.08,30.05 ; 259.66,97.79 v2(259.66,98.22) ; v2(259.66,98.22) 260.1,98.22 ; v2(259.66,98.22) 259.66,98.65 ; v2(259.66,98.22) 259.23,98.22 ; v2(269.72,258.93) 269.72,259.36 ; v2(269.72,258.93) 270.15,258.93 ; v2(269.72,258.93) 269.29,258.93 ; v2(269.72,258.93) 269.72,258.5 ; v2(108.71,35) 109.14,35 ; v2(108.71,35) 108.71,34.57 ; v2(108.71,35) 108.71,35.43 ; v2(108.71,35) 108.28,35 ; C1481.1 349.96,105.96 ; C1481.1 349.87,107.74 ; C1481.1 348.18,106.05 ; C1481.1 348.09,107.83 ; 266.29,255.5 v2(266.73,255.5) ; v2(266.73,255.5) 267.16,255.5 ; v2(266.73,255.5) 266.73,255.07 ; 111.12,166.88 v2(111.56,166.88) ; v2(111.56,166.88) 111.99,166.88 ; v2(111.56,166.88) 111.56,167.31 ; 199.67,117.78 v2(199.67,118.21) ; v2(199.67,118.21) 199.24,118.21 ; v2(199.67,118.21) 200.1,118.21 ; v2(199.67,118.21) 199.67,118.64 ; 29.51,42.16 v1(29.51,42.6) ; v1(29.51,42.6) 29.95,42.6 ; v1(29.51,42.6) 29.08,42.6 ; v1(29.51,42.6) 29.51,43.03 ; v2(202.11,118.16) 202.11,118.59 ; v2(202.11,118.16) 202.54,118.16 ; v2(202.11,118.16) 202.11,117.73 ; v2(202.11,118.16) 201.68,118.16 ; v2(259.64,96.65) 260.07,96.65 ; v2(259.64,96.65) 259.21,96.65 ; v2(259.64,96.65) 259.64,97.08 ; v2(259.64,96.65) 259.64,96.21 ; v1(360.68,237.92) 361.11,237.92 ; v1(360.68,237.92) 360.68,237.49 ; v1(360.68,237.92) 360.68,238.35 ; v1(360.68,237.92) 360.25,237.92 ; 34.34,270.38 v2(34.77,270.38) ; v2(34.77,270.38) 34.77,270.82 ; v2(34.77,270.38) 34.77,269.95 ; v2(34.77,270.38) 35.2,270.38 ; 29.36,41.45 v1(29.79,41.45) ; v1(29.79,41.45) 29.79,41.02 ; v1(29.79,41.45) 29.79,41.89 ; v1(29.79,41.45) 30.23,41.45 ; 368,99.52 v1(368,99.95) ; v1(368,99.95) 368.43,99.95 ; v1(368,99.95) 367.56,99.95 ; v1(368,99.95) 368,100.38 ; v2(259.69,99.8) 260.12,99.8 ; v2(259.69,99.8) 259.69,100.23 ; v2(259.69,99.8) 259.26,99.8 ; v2(259.69,99.8) 259.69,99.36 ; 66.88,255.14 v2(66.88,255.57) ; v2(66.88,255.57) 67.31,255.57 ; v2(66.88,255.57) 66.45,255.57 ; v2(66.88,255.57) 66.88,256.01 ; v1(236.19,347.42) 236.63,347.42 ; v1(236.19,347.42) 236.19,347.85 ; v1(236.19,347.42) 236.19,346.99 ; v1(236.19,347.42) 235.76,347.42 ; v1(270.28,30.71) 270.71,30.71 ; v1(270.28,30.71) 269.85,30.71 ; v1(270.28,30.71) 270.28,31.14 ; v1(270.28,30.71) 270.28,30.28 ; v2(118.54,117.25) 118.54,117.68 ; v2(118.54,117.25) 118.54,116.81 ; v2(118.54,117.25) 118.11,117.25 ; v2(118.54,117.25) 118.97,117.25 ; v2(259.64,268.25) 260.07,268.25 ; v2(259.64,268.25) 259.64,268.68 ; v2(259.64,268.25) 259.21,268.25 ; v2(259.64,268.25) 259.64,267.82 ; 123.22,116.81 v2(123.22,117.25) ; v2(123.22,117.25) 123.65,117.25 ; v2(123.22,117.25) 123.22,117.68 ; v2(123.22,117.25) 122.78,117.25 ; v2(198.45,117.17) 198.88,117.17 ; v2(198.45,117.17) 198.02,117.17 ; v2(198.45,117.17) 198.45,117.6 ; v2(198.45,117.17) 198.45,116.74 ; v2(193.5,326.95) 193.5,327.38 ; v2(193.5,326.95) 193.06,326.95 ; v2(193.5,326.95) 193.5,326.52 ; v2(193.5,326.95) 193.93,326.95 ; v2(266.5,258.85) 266.5,259.28 ; v2(266.5,258.85) 266.06,258.85 ; v2(266.5,258.85) 266.93,258.85 ; 205.89,347.09 v1(206.32,347.09) ; v1(206.32,347.09) 206.32,346.66 ; v1(206.32,347.09) 206.32,347.52 ; v1(206.32,347.09) 206.76,347.09 ; 32.44,44.68 v2(32.87,44.68) ; v2(32.87,44.68) 33.3,44.68 ; v2(32.87,44.68) 32.87,45.11 ; v2(32.87,44.68) 32.87,44.25 ; v1(29.46,43.74) 29.9,43.74 ; v1(29.46,43.74) 29.46,43.31 ; v1(29.46,43.74) 29.46,44.17 ; v1(29.46,43.74) 29.03,43.74 ; C1486.1 362.97,105.74 ; C1486.1 364.29,104.55 ; C1486.1 362.97,103.35 ; C1486.1 361.64,104.55 ; v2(99.64,188.37) 100.08,188.37 ; v2(99.64,188.37) 99.21,188.37 ; v2(99.64,188.37) 99.64,187.93 ; v2(99.64,188.37) 99.64,188.8 ; 189.64,347.52 v1(189.64,347.95) ; v1(189.64,347.95) 189.64,348.39 ; v1(189.64,347.95) 189.2,347.95 ; v1(189.64,347.95) 190.07,347.95 ; 358.67,242.47 v1(359.11,242.47) ; v1(359.11,242.47) 359.11,242.9 ; v1(359.11,242.47) 359.54,242.47 ; v1(359.11,242.47) 359.11,242.04 ; 265.65,31.9 C1129.1 ; C1129.1 266.84,33.22 ; C1129.1 266.84,30.58 ; C1129.1 268.04,31.9 ; v2(269.85,257.18) 270.28,257.18 ; v2(269.85,257.18) 269.85,257.61 ; v2(269.85,257.18) 269.85,256.74 ; v2(269.85,257.18) 269.42,257.18 ; v2(174.88,268.43) 174.88,268.86 ; v2(174.88,268.43) 174.45,268.43 ; v2(174.88,268.43) 174.88,267.99 ; v2(174.88,268.43) 175.31,268.43 ; C1482.1 350.24,349.61 ; C1482.1 349.05,348.28 ; C1482.1 350.24,346.96 ; C1482.1 351.43,348.28 ; 35.61,185.37 v2(35.61,185.8) ; v2(35.61,185.8) 35.61,186.23 ; v2(35.61,185.8) 36.04,185.8 ; v2(35.61,185.8) 35.18,185.8 ; C1405.1 276.79,349.81 ; C1405.1 274.4,349.81 ; C1405.1 275.6,351.13 ; C1405.1 275.6,348.49 ; v2(179.53,98.17) 179.96,98.17 ; v2(179.53,98.17) 179.09,98.17 ; v2(179.53,98.17) 179.53,97.74 ; v2(179.53,98.17) 179.53,98.6 ; v2(269.27,34.77) 269.7,34.77 ; v2(269.27,34.77) 268.83,34.77 ; v2(269.27,34.77) 269.27,35.2 ; v2(269.27,34.77) 269.27,34.34 ; C606.1 118.64,256.87 ; C606.1 117.44,255.55 ; C606.1 117.44,258.19 ; C606.1 116.25,256.87 ; 192.81,167.03 v2(193.24,167.03) ; v2(193.24,167.03) 193.68,167.03 ; v2(193.24,167.03) 193.24,167.46 ; C259.1 98.45,267 ; C259.1 97.13,265.81 ; C259.1 97.13,268.2 ; C259.1 95.81,267 ; 188.82,31.62 v1(189.26,31.62) ; v1(189.26,31.62) 189.26,31.19 ; v1(189.26,31.62) 189.26,32.06 ; v1(189.26,31.62) 189.69,31.62 ; v1(221.31,352.76) 221.74,352.76 ; v1(221.31,352.76) 221.31,353.19 ; v1(221.31,352.76) 221.31,352.32 ; v1(221.31,352.76) 220.88,352.76 ; 191.41,323.7 v2(191.85,323.7) ; v2(191.85,323.7) 192.28,323.7 ; v2(191.85,323.7) 191.85,323.27 ; v2(191.85,323.7) 191.85,324.13 ; 35.18,184.35 v2(35.61,184.35) ; v2(35.61,184.35) 35.61,184.79 ; v2(35.61,184.35) 35.61,183.92 ; v2(35.61,184.35) 36.04,184.35 ; 275.03,325.04 v2(275.03,325.48) ; v2(275.03,325.48) 275.03,325.91 ; v2(275.03,325.48) 275.46,325.48 ; 189.26,350.11 v1(189.26,350.55) ; v1(189.26,350.55) 189.69,350.55 ; v1(189.26,350.55) 188.82,350.55 ; v1(189.26,350.55) 189.26,350.98 ; v2(179.65,268.48) 179.65,268.91 ; v2(179.65,268.48) 179.65,268.05 ; v2(179.65,268.48) 179.22,268.48 ; v2(179.65,268.48) 180.09,268.48 ; C1302.1 107.97,32.89 ; C1302.1 105.58,32.89 ; C1302.1 106.77,31.57 ; C1302.1 106.77,34.21 ; 31.6,82.4 v2(31.6,82.83) ; v2(31.6,82.83) 32.03,82.83 ; v2(31.6,82.83) 31.17,82.83 ; v2(31.6,82.83) 31.6,83.26 ; v2(99.67,267.23) 99.67,267.67 ; v2(99.67,267.23) 100.1,267.23 ; v2(99.67,267.23) 99.24,267.23 ; v2(99.67,267.23) 99.67,266.8 ; U1080.4 v1(350,209.04) ; v2(185.7,35.66) 186.13,35.66 ; v2(185.7,35.66) 185.7,36.09 ; v2(185.7,35.66) 185.27,35.66 ; v2(185.7,35.66) 185.7,35.23 ; 35.71,270.31 v2(36.14,270.31) ; v2(36.14,270.31) 36.14,269.87 ; v2(36.14,270.31) 36.14,270.74 ; v2(36.14,270.31) 36.58,270.31 ; 371.74,101.18 L2.2 ; L2.2 371.74,103.06 ; L2.2 369.98,102.12 ; U1078.4 v1(345.43,324.08) ; U130.60 v2(218.76,283.53)